# Altium PCB matrix.PcbDoc (part 2 of 5) (continued)
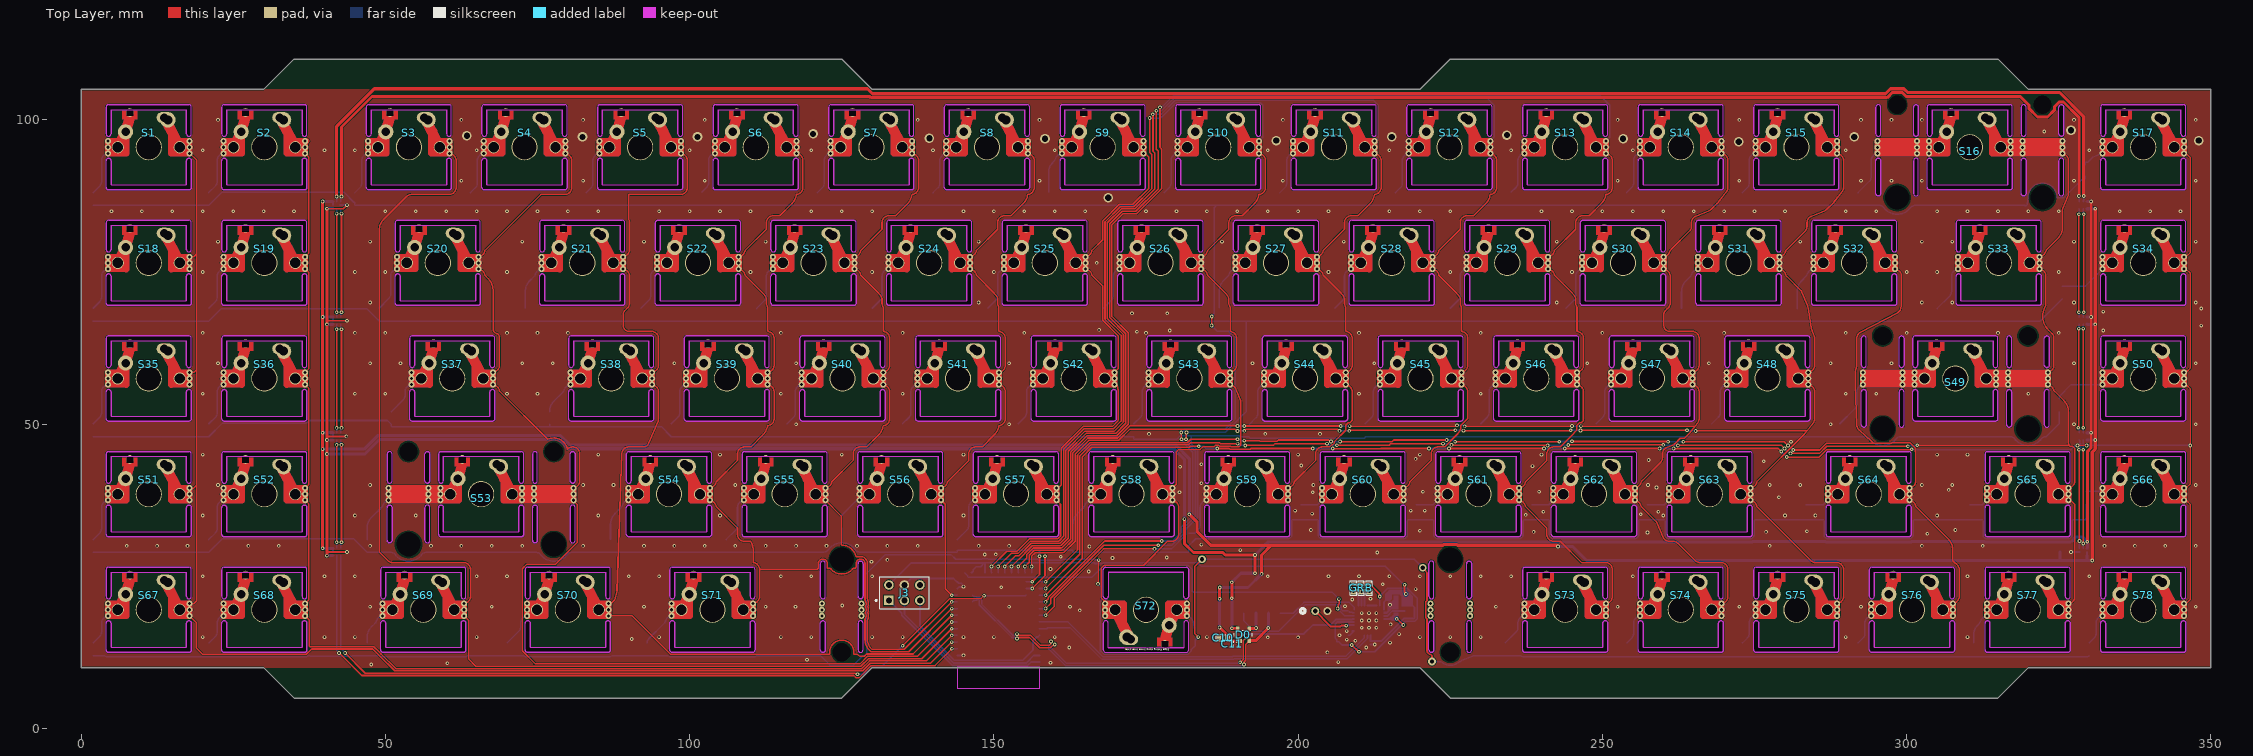
[diagram p0: Top Layer view]
## Footprints (in the part's own frame and the unit in brackets; to place one, negate y for a bottom-side part, rotate by r counter-clockwise, add the part's x,y. Pads: shape width x height; smd on the part's side, far side on the other; paste and mask are expansions set on the pad) (continued)
  oval 2.5x1.8 hole 1.4: 2(2.54,4.879)
  round 2.54 hole 1.5: 2(3.15,4.502)
  round 1.524 hole 4 unplated: ""(-11.938,-8.255) ""(11.938,-8.255)
  round 1.524 hole 3 unplated: ""(-11.938,6.985) ""(11.938,6.985)
  Top Layer region: 15.199,1 6.699,1 6.699,-0.998 15.199,-0.998
  Top Layer region: -15.2,-0.998 -6.7,-0.998 -6.7,1 -15.2,1
  Top Layer region: -4.35,6 -4.35,4.602 -1.85,4.602 -1.85,6
  Top Layer lines w1: -4.3,1.002 -6.7,1.002 -6.7,-0.998 ; -3.7,-0.998 -6.7,-0.998 ; 3.7,-0.998 6.7,-0.998 6.7,1.002 4.3,1.002 ; -6.7,-0.998 -6.7,1 -15.2,1 -15.2,0 -15.2,-0.998 -8.68,-0.998 -6.7,-0.998 ; -6.7,-0.998 -6.7,-0.998 ; 15.2,-0.998 15.2,0 15.2,1 ; 15.2,-0.998 8.68,-0.998 6.7,-0.998 6.7,1 8.68,1 15.2,1 ; 15.2,-0.998 15.2,-0.998 ; 15.2,1 15.2,1
  Top Layer lines w1.1: -6.7,0.002 -5.08,0.002 ; -3.7,-0.998 -3.7,1.902 ; 3.7,-0.998 3.7,1.902 ; 5.08,0.002 6.7,0.002
  Top Layer lines w1.7: -5.08,0.002 -3.81,2.542 -3.11,4.942 ; 2.54,4.879 3.81,2.542 5.08,0.002
  Bottom Layer region: 15.199,0.996 6.699,0.996 6.699,-0.998 15.199,-0.998
  Bottom Layer region: -15.199,-0.998 -6.7,-0.998 -6.7,0.996 -15.199,0.996
  Bottom Layer region: -4.35,6 -4.35,4.602 -1.85,4.602 -1.85,6
  Bottom Layer lines w1: -4.3,1.002 -6.7,1.002 -6.7,-0.998 ; -3.7,-0.998 -6.7,-0.998 ; 3.7,-0.998 6.7,-0.998 6.7,1.002 4.3,1.002 ; -6.7,-0.998 -6.7,1 -15.2,1 -15.2,0 -15.2,-0.998 -8.68,-0.998 -6.7,-0.998 ; -6.7,-0.998 -6.7,-0.998 ; 15.2,-0.998 15.2,0 15.2,1 8.68,1 6.7,1 6.7,-0.998 8.68,-0.998 15.2,-0.998 ; 15.2,-0.998 15.2,-0.998
  Bottom Layer lines w1.1: -6.7,0.002 -5.08,0.002 ; -3.7,-0.998 -3.7,1.902 ; 3.7,-0.998 3.7,1.902 ; 5.08,0.002 6.7,0.002
  Bottom Layer lines w1.7: -5.08,0.002 -3.81,2.542 -3.11,4.942 ; 2.54,4.879 3.81,2.542 5.08,0.002
  Keep-Out Layer board cut-out: 9.24,6.6 9.209,6.753 9.123,6.883 8.993,6.969 8.84,7 8.84,7 8.687,6.969 8.557,6.883 8.47,6.753 8.44,6.6 8.44,6.6 8.44,2.202 8.48,2.028 8.591,1.889 8.751,1.812 8.929,1.812 9.089,1.889 9.2,2.028 9.24,2.202 9.24,2.202
  Keep-Out Layer board cut-out: 8.44,-2.198 8.48,-2.024 8.591,-1.885 8.751,-1.808 8.929,-1.808 9.09,-1.885 9.201,-2.024 9.24,-2.198 9.24,-2.198 9.24,-7.6 9.201,-7.773 9.09,-7.912 8.929,-7.99 8.751,-7.99 8.591,-7.912 8.48,-7.773 8.44,-7.6 8.44,-7.6
  Keep-Out Layer board cut-out: 14.64,6.6 14.671,6.753 14.757,6.883 14.887,6.969 15.04,7 15.04,7 15.193,6.969 15.323,6.883 15.41,6.753 15.44,6.6 15.44,6.6 15.44,2.202 15.401,2.028 15.29,1.889 15.129,1.812 14.951,1.812 14.791,1.889 14.68,2.028 14.64,2.202 14.64,2.202
  Keep-Out Layer board cut-out: 15.44,-2.198 15.401,-2.024 15.29,-1.885 15.129,-1.808 14.951,-1.808 14.791,-1.885 14.68,-2.024 14.64,-2.198 14.64,-2.198 14.64,-7.6 14.68,-7.773 14.791,-7.912 14.951,-7.99 15.129,-7.99 15.289,-7.912 15.4,-7.773 15.44,-7.6 15.44,-7.6
  Keep-Out Layer board cut-out: -14.64,6.6 -14.671,6.753 -14.757,6.883 -14.887,6.969 -15.04,7 -15.04,7 -15.193,6.969 -15.323,6.883 -15.41,6.753 -15.44,6.6 -15.44,6.6 -15.44,2.202 -15.4,2.028 -15.289,1.889 -15.129,1.812 -14.951,1.812 -14.791,1.889 -14.68,2.028 -14.64,2.202 -14.64,2.202
  Keep-Out Layer board cut-out: -15.44,-2.198 -15.4,-2.024 -15.289,-1.885 -15.129,-1.808 -14.951,-1.808 -14.79,-1.885 -14.679,-2.024 -14.64,-2.198 -14.64,-2.198 -14.64,-7.6 -14.679,-7.773 -14.79,-7.912 -14.951,-7.99 -15.129,-7.99 -15.289,-7.912 -15.4,-7.773 -15.44,-7.6 -15.44,-7.6
  Keep-Out Layer board cut-out: 7,-2.198 7,-6.598 6.969,-6.751 6.883,-6.88 6.753,-6.967 6.6,-6.998 6.6,-6.998 -6.6,-6.998 -6.753,-6.967 -6.883,-6.88 -6.97,-6.751 -7,-6.598 -7,-6.598 -7,-2.198 -6.961,-2.024 -6.85,-1.885 -6.689,-1.808 -6.511,-1.808 -6.351,-1.885 -6.24,-2.024 -6.2,-2.198 -6.2,-2.198 -6.2,-6.198 6.2,-6.198 6.2,-2.198 6.239,-2.024 6.35,-1.885 6.511,-1.808 6.689,-1.808 6.849,-1.885 6.96,-2.024 7,-2.198
  Keep-Out Layer board cut-out: 7,2.202 7,6.602 6.969,6.755 6.883,6.885 6.753,6.972 6.6,7.002 6.6,7.002 -6.6,7.002 -6.753,6.972 -6.883,6.885 -6.97,6.755 -7,6.602 -7,6.602 -7,2.202 -6.961,2.029 -6.85,1.89 -6.689,1.812 -6.511,1.812 -6.351,1.89 -6.24,2.029 -6.2,2.202 -6.2,2.202 -6.2,6.202 6.2,6.202 6.2,2.202 6.239,2.029 6.35,1.89 6.511,1.812 6.689,1.812 6.849,1.89 6.96,2.029 7,2.202
  Keep-Out Layer board cut-out: -8.44,-2.198 -8.479,-2.024 -8.59,-1.885 -8.751,-1.808 -8.929,-1.808 -9.089,-1.885 -9.2,-2.024 -9.24,-2.198 -9.24,-2.198 -9.24,-7.6 -9.2,-7.773 -9.089,-7.912 -8.929,-7.99 -8.751,-7.99 -8.591,-7.912 -8.48,-7.773 -8.44,-7.6 -8.44,-7.6
  Keep-Out Layer board cut-out: -9.24,6.6 -9.209,6.753 -9.123,6.883 -8.993,6.969 -8.84,7 -8.84,7 -8.687,6.969 -8.557,6.883 -8.47,6.753 -8.44,6.6 -8.44,6.6 -8.44,2.202 -8.479,2.028 -8.59,1.889 -8.751,1.812 -8.929,1.812 -9.089,1.889 -9.2,2.028 -9.24,2.202 -9.24,2.202
  Keep-Out Layer lines w0.1: -14.64,-7.6 -14.64,-2.198 ; -14.639,-7.6 cw(c-15.04,-7.6) -15.44,-7.6 -15.44,-2.198 cw(c-15.04,-2.198) -14.639,-2.198 ; -8.44,6.6 -8.44,2.202 cw(c-8.84,2.202) -9.24,2.202 -9.24,6.6 cw(c-8.84,6.6) -8.439,6.6 ; 8.44,-7.6 ccw(c8.84,-7.6) 9.241,-7.6 ; 8.44,-7.6 8.44,-2.198 cw(c8.84,-2.198) 9.241,-2.198 ; 9.24,-7.6 9.24,-2.198 ; 14.64,-7.6 ccw(c15.04,-7.6) 15.44,-7.6 ; 14.64,-7.6 14.64,-2.198 cw(c15.04,-2.198) 15.44,-2.198 15.44,-7.6 ; 15.44,2.202 15.44,6.6 ccw(c15.04,6.599) 14.64,6.6 14.64,2.202 ccw(c15.04,2.202) 15.44,2.202 ; -15.44,2.202 ccw(c-15.04,2.202) -14.64,2.202 -14.64,6.6 ccw(c-15.04,6.6) -15.44,6.6 -15.44,2.202 ; -9.24,-7.6 ccw(c-8.84,-7.6) -8.44,-7.6 -8.44,-2.198 ccw(c-8.84,-2.198) -9.24,-2.198 -9.24,-7.6 ; -7,-6.598 ccw(c-6.6,-6.598) -6.6,-6.998 6.6,-6.998 ccw(c6.6,-6.598) 7,-6.598 7,-2.198 ccw(c6.6,-2.198) 6.2,-2.198 6.2,-6.198 -6.2,-6.198 -6.2,-2.198 ccw(c-6.6,-2.198) -7,-2.198 -7,-6.598 ; -7,2.202 ccw(c-6.6,2.202) -6.2,2.202 -6.2,6.202 6.2,6.202 6.2,2.202 ccw(c6.6,2.202) 7,2.202 7,6.602 ccw(c6.6,6.602) 6.6,7.002 -6.6,7.002 ccw(c-6.6,6.602) -7,6.602 -7,2.202 ; 8.44,2.202 ccw(c8.84,2.202) 9.24,2.202 9.24,6.6 ccw(c8.84,6.6) 8.44,6.6 8.44,2.202
  body extent -9,-9 9,9, height 23
2.25U-STAB-CHERRY-SMK-CUTOUT#2 [mm]
  round 4.3 hole 3.988: 0(0,0.002)
  round 1 hole 0.5 mask+0.05: 1(-15.2,-1) 1(-15.2,0) 1(-15.2,1) 1(-8.68,-1) 1(-8.68,0) 1(-8.68,1) 1(-6.7,-0.998) 1(-6.7,0.002) 1(-6.7,1.002) 2(6.7,-0.998) 2(6.7,0.002) 2(6.7,1.002) 2(8.68,-1) 2(8.68,0) 2(8.68,1) 2(15.2,-1) 2(15.2,0) 2(15.2,1)
  round 2 hole 1.702: 1(-5.08,0.002) 2(5.08,0.002)
  round 2.5 hole 1.4: 1(-3.81,2.542)
  oval 1.125x1.425 hole 1.1 square: 1(-3.1,5.702)
  oval 2.5x1.8 hole 1.4: 2(2.54,4.879)
  round 2.54 hole 1.5: 2(3.15,4.502)
  round 1.524 hole 4 unplated: ""(-11.938,-8.255) ""(11.938,-8.255)
  round 1.524 hole 3 unplated: ""(-11.938,6.985) ""(11.938,6.985)
  Top Layer region: 15.199,1 6.699,1 6.699,-0.998 15.199,-0.998
  Top Layer region: -15.2,-0.998 -6.7,-0.998 -6.7,1 -15.2,1
  Top Layer region: -4.35,6 -4.35,4.602 -1.85,4.602 -1.85,6
  Top Layer lines w1: -4.3,1.002 -6.7,1.002 -6.7,-0.998 ; -3.7,-0.998 -6.7,-0.998 ; 3.7,-0.998 5.08,-0.998 6.7,-0.998 6.7,0.002 6.7,1.002 5.08,1.002 4.58,1.002 4.3,1.002 ; -6.7,-0.998 -6.7,1 -15.2,1 -15.2,0 -15.2,-0.998 -8.68,-0.998 -6.7,-0.998 ; -6.7,-0.998 -6.7,-0.998 ; 15.2,-0.998 15.2,-0.998 ; 15.2,-0.998 8.68,-0.998 6.7,-0.998 6.7,0.002 6.7,1 8.68,1 15.2,1 ; 15.2,-0.998 15.2,0 15.2,1 ; 15.2,1 15.2,1 ; 15.2,1 15.2,1
  Top Layer lines w1.1: -6.7,0.002 -5.08,0.002 ; -3.7,-0.998 -3.7,1.902 ; 3.7,-0.998 3.7,0.002 3.7,1.902 ; 5.08,0.002 6.7,0.002
  Top Layer lines w1.7: -5.08,0.002 -3.81,2.542 -3.11,4.942 ; 2.54,4.879 2.837,4.332 3.81,2.542 4.58,1.002 5.08,0.002
  Bottom Layer region: 15.199,0.996 6.699,0.996 6.699,-0.998 15.199,-0.998
  Bottom Layer region: -15.199,-0.998 -6.7,-0.998 -6.7,0.996 -15.199,0.996
  Bottom Layer region: -4.35,6 -4.35,4.602 -1.85,4.602 -1.85,6
  Bottom Layer lines w1: -4.3,1.002 -6.7,1.002 -6.7,-0.998 ; -3.7,-0.998 -6.7,-0.998 ; 3.7,-0.998 5.08,-0.998 6.7,-0.998 6.7,0.002 6.7,1.002 5.08,1.002 4.58,1.002 4.3,1.002 ; -6.7,-0.998 -6.7,1 -15.2,1 -15.2,0 -15.2,-0.998 -8.68,-0.998 -6.7,-0.998 ; -6.7,-0.998 -6.7,-0.998 ; 15.2,-0.998 15.2,-0.998 ; 15.2,-0.998 8.68,-0.998 6.7,-0.998 6.7,0.002 6.7,1 8.68,1 15.2,1 15.2,0 15.2,-0.998
  Bottom Layer lines w1.1: -6.7,0.002 -5.08,0.002 ; -3.7,-0.998 -3.7,1.902 ; 3.7,-0.998 3.7,0.002 3.7,1.902 ; 5.08,0.002 6.7,0.002
  Bottom Layer lines w1.7: -5.08,0.002 -3.81,2.542 -3.11,4.942 ; 2.54,4.879 2.837,4.332 3.81,2.542 4.58,1.002 5.08,0.002
  Keep-Out Layer board cut-out: 9.24,6.6 9.209,6.753 9.123,6.883 8.993,6.969 8.84,7 8.84,7 8.687,6.969 8.557,6.883 8.47,6.753 8.44,6.6 8.44,6.6 8.44,2.202 8.48,2.028 8.591,1.889 8.751,1.812 8.929,1.812 9.089,1.889 9.2,2.028 9.24,2.202 9.24,2.202
  Keep-Out Layer board cut-out: 8.44,-2.198 8.48,-2.024 8.591,-1.885 8.751,-1.808 8.929,-1.808 9.09,-1.885 9.201,-2.024 9.24,-2.198 9.24,-2.198 9.24,-7.6 9.201,-7.773 9.09,-7.912 8.929,-7.99 8.751,-7.99 8.591,-7.912 8.48,-7.773 8.44,-7.6 8.44,-7.6
  Keep-Out Layer board cut-out: 14.64,6.6 14.671,6.753 14.757,6.883 14.887,6.969 15.04,7 15.04,7 15.193,6.969 15.323,6.883 15.41,6.753 15.44,6.6 15.44,6.6 15.44,2.202 15.401,2.028 15.29,1.889 15.129,1.812 14.951,1.812 14.791,1.889 14.68,2.028 14.64,2.202 14.64,2.202
  Keep-Out Layer board cut-out: 15.44,-2.198 15.401,-2.024 15.29,-1.885 15.129,-1.808 14.951,-1.808 14.791,-1.885 14.68,-2.024 14.64,-2.198 14.64,-2.198 14.64,-7.6 14.68,-7.773 14.791,-7.912 14.951,-7.99 15.129,-7.99 15.289,-7.912 15.4,-7.773 15.44,-7.6 15.44,-7.6
  Keep-Out Layer board cut-out: -14.64,6.6 -14.671,6.753 -14.757,6.883 -14.887,6.969 -15.04,7 -15.04,7 -15.193,6.969 -15.323,6.883 -15.41,6.753 -15.44,6.6 -15.44,6.6 -15.44,2.202 -15.4,2.028 -15.289,1.889 -15.129,1.812 -14.951,1.812 -14.791,1.889 -14.68,2.028 -14.64,2.202 -14.64,2.202
  Keep-Out Layer board cut-out: -15.44,-2.198 -15.4,-2.024 -15.289,-1.885 -15.129,-1.808 -14.951,-1.808 -14.79,-1.885 -14.679,-2.024 -14.64,-2.198 -14.64,-2.198 -14.64,-7.6 -14.679,-7.773 -14.79,-7.912 -14.951,-7.99 -15.129,-7.99 -15.289,-7.912 -15.4,-7.773 -15.44,-7.6 -15.44,-7.6
  Keep-Out Layer board cut-out: 7,-2.198 7,-6.598 6.969,-6.751 6.883,-6.88 6.753,-6.967 6.6,-6.998 6.6,-6.998 -6.6,-6.998 -6.753,-6.967 -6.883,-6.88 -6.97,-6.751 -7,-6.598 -7,-6.598 -7,-2.198 -6.961,-2.024 -6.85,-1.885 -6.689,-1.808 -6.511,-1.808 -6.351,-1.885 -6.24,-2.024 -6.2,-2.198 -6.2,-2.198 -6.2,-6.198 6.2,-6.198 6.2,-2.198 6.239,-2.024 6.35,-1.885 6.511,-1.808 6.689,-1.808 6.849,-1.885 6.96,-2.024 7,-2.198
  Keep-Out Layer board cut-out: 7,2.202 7,6.602 6.969,6.755 6.883,6.885 6.753,6.972 6.6,7.002 6.6,7.002 -6.6,7.002 -6.753,6.972 -6.883,6.885 -6.97,6.755 -7,6.602 -7,6.602 -7,2.202 -6.961,2.029 -6.85,1.89 -6.689,1.812 -6.511,1.812 -6.351,1.89 -6.24,2.029 -6.2,2.202 -6.2,2.202 -6.2,6.202 6.2,6.202 6.2,2.202 6.239,2.029 6.35,1.89 6.511,1.812 6.689,1.812 6.849,1.89 6.96,2.029 7,2.202
  Keep-Out Layer board cut-out: -8.44,-2.198 -8.479,-2.024 -8.59,-1.885 -8.751,-1.808 -8.929,-1.808 -9.089,-1.885 -9.2,-2.024 -9.24,-2.198 -9.24,-2.198 -9.24,-7.6 -9.2,-7.773 -9.089,-7.912 -8.929,-7.99 -8.751,-7.99 -8.591,-7.912 -8.48,-7.773 -8.44,-7.6 -8.44,-7.6
  Keep-Out Layer board cut-out: -9.24,6.6 -9.209,6.753 -9.123,6.883 -8.993,6.969 -8.84,7 -8.84,7 -8.687,6.969 -8.557,6.883 -8.47,6.753 -8.44,6.6 -8.44,6.6 -8.44,2.202 -8.479,2.028 -8.59,1.889 -8.751,1.812 -8.929,1.812 -9.089,1.889 -9.2,2.028 -9.24,2.202 -9.24,2.202
  Keep-Out Layer lines w0.1: -14.64,-7.6 -14.64,-2.198 ; -14.639,-7.6 cw(c-15.04,-7.6) -15.44,-7.6 -15.44,-2.198 cw(c-15.04,-2.198) -14.639,-2.198 ; 8.44,-7.6 ccw(c8.84,-7.6) 9.241,-7.6 ; 8.44,-7.6 8.44,-2.198 cw(c8.84,-2.198) 9.241,-2.198 ; 9.24,-7.6 9.24,-2.198 ; 14.64,6.6 cw(c15.04,6.599) 15.44,6.6 ; 14.64,6.6 14.64,2.202 ccw(c15.04,2.202) 15.44,2.202 15.44,6.6 ; -15.44,2.202 ccw(c-15.04,2.202) -14.64,2.202 -14.64,6.6 ccw(c-15.04,6.6) -15.44,6.6 -15.44,2.202 ; -9.24,-7.6 ccw(c-8.84,-7.6) -8.44,-7.6 -8.44,-2.198 ccw(c-8.84,-2.198) -9.24,-2.198 -9.24,-7.6 ; -9.24,2.202 ccw(c-8.84,2.202) -8.44,2.202 -8.44,6.6 ccw(c-8.84,6.6) -9.24,6.6 -9.24,2.202 ; -7,-6.598 ccw(c-6.6,-6.598) -6.6,-6.998 6.6,-6.998 ccw(c6.6,-6.598) 7,-6.598 7,-2.198 ccw(c6.6,-2.198) 6.2,-2.198 6.2,-6.198 -6.2,-6.198 -6.2,-2.198 ccw(c-6.6,-2.198) -7,-2.198 -7,-6.598 ; -7,2.202 ccw(c-6.6,2.202) -6.2,2.202 -6.2,6.202 6.2,6.202 6.2,2.202 ccw(c6.6,2.202) 7,2.202 7,6.602 ccw(c6.6,6.602) 6.6,7.002 -6.6,7.002 ccw(c-6.6,6.602) -7,6.602 -7,2.202 ; 8.44,2.202 ccw(c8.84,2.202) 9.24,2.202 9.24,6.6 ccw(c8.84,6.6) 8.44,6.6 8.44,2.202 ; 14.64,-7.6 ccw(c15.04,-7.6) 15.44,-7.6 15.44,-2.198 ccw(c15.04,-2.198) 14.64,-2.198 14.64,-7.6
  body extent -9,-9 9,9, height 23
2U-STAB-CHERRY-SMK-CUTOUT [mm]
  round 4.3 hole 3.988: 0(0,0.002)
  round 1 hole 0.5 mask+0.05: 1(-15.2,-1) 1(-15.2,0) 1(-15.2,1) 1(-8.68,-1) 1(-8.68,0) 1(-8.68,1) 1(-6.7,-0.998) 1(-6.7,0.002) 1(-6.7,1.002) 2(6.7,-0.998) 2(6.7,0.002) 2(6.7,1.002) 2(8.68,-1) 2(8.68,0) 2(8.68,1) 2(15.2,-1) 2(15.2,0) 2(15.2,1)
  round 2 hole 1.702: 1(-5.08,0.002) 2(5.08,0.002)
  round 2.5 hole 1.4: 1(-3.81,2.542)
  oval 1.125x1.425 hole 1.1 square: 1(-3.1,5.702)
  oval 2.5x1.8 hole 1.4: 2(2.54,4.879)
  round 2.54 hole 1.5: 2(3.15,4.502)
  round 1.524 hole 4 unplated: ""(-11.938,-8.255) ""(11.938,-8.255)
  round 1.524 hole 3 unplated: ""(-11.938,6.985) ""(11.938,6.985)
  Top Layer region: -15.2,-0.998 -6.7,-0.998 -6.7,1 -15.2,1
  Top Layer region: 15.199,1 6.699,1 6.699,-0.998 15.199,-0.998
  Top Layer region: -4.35,6 -4.35,4.602 -1.85,4.602 -1.85,6
  Top Layer lines w1: -4.3,1.002 -6.7,1.002 -6.7,-0.998 ; -3.7,-0.998 -6.7,-0.998 ; 3.7,-0.998 6.7,-0.998 6.7,1.002 4.3,1.002 ; -6.7,-0.998 -6.7,1 -15.2,1 -15.2,0 -15.2,-0.998 -8.68,-0.998 -6.7,-0.998 ; -6.7,-0.998 -6.7,-0.998 ; 6.7,-0.998 6.7,1 15.2,1 15.2,0 15.2,-0.998 15.2,-0.998 8.68,-0.998 6.7,-0.998
  Top Layer lines w1.1: -6.7,0.002 -5.08,0.002 ; -3.7,-0.998 -3.7,1.902 ; 3.7,-0.998 3.7,1.902 ; 5.08,0.002 6.7,0.002
  Top Layer lines w1.7: -5.08,0.002 -3.81,2.542 -3.11,4.942 ; 2.54,4.879 3.81,2.542 5.08,0.002
  Bottom Layer region: -15.199,-0.998 -6.7,-0.998 -6.7,0.996 -15.199,0.996
  Bottom Layer region: 15.199,0.996 6.699,0.996 6.699,-0.998 15.199,-0.998
  Bottom Layer region: -4.35,6 -4.35,4.602 -1.85,4.602 -1.85,6
  Bottom Layer lines w1: -4.3,1.002 -6.7,1.002 -6.7,-0.998 ; -3.7,-0.998 -6.7,-0.998 ; 3.7,-0.998 6.7,-0.998 6.7,1.002 4.3,1.002 ; -6.7,-0.998 -6.7,1 -15.2,1 -15.2,0 -15.2,-0.998 -8.68,-0.998 -6.7,-0.998 ; -6.7,-0.998 -6.7,-0.998 ; 6.7,-0.998 6.7,1 15.2,1 15.2,0 15.2,-0.998 15.2,-0.998 8.68,-0.998 6.7,-0.998
  Bottom Layer lines w1.1: -6.7,0.002 -5.08,0.002 ; -3.7,-0.998 -3.7,1.902 ; 3.7,-0.998 3.7,1.902 ; 5.08,0.002 6.7,0.002
  Bottom Layer lines w1.7: -5.08,0.002 -3.81,2.542 -3.11,4.942 ; 2.54,4.879 3.81,2.542 5.08,0.002
  Keep-Out Layer board cut-out: 9.24,6.6 9.21,6.753 9.123,6.883 8.993,6.969 8.84,7 8.84,7 8.687,6.969 8.557,6.883 8.471,6.753 8.44,6.6 8.44,6.6 8.44,2.202 8.48,2.028 8.591,1.889 8.751,1.812 8.929,1.812 9.09,1.889 9.201,2.028 9.24,2.202 9.24,2.202
  Keep-Out Layer board cut-out: 8.44,-2.198 8.48,-2.024 8.591,-1.885 8.751,-1.808 8.93,-1.808 9.09,-1.885 9.201,-2.024 9.241,-2.198 9.241,-2.198 9.241,-7.6 9.201,-7.773 9.09,-7.912 8.93,-7.99 8.752,-7.99 8.591,-7.912 8.48,-7.773 8.441,-7.6 8.441,-7.6
  Keep-Out Layer board cut-out: 14.641,6.6 14.671,6.753 14.758,6.883 14.888,6.969 15.041,7 15.041,7 15.194,6.969 15.324,6.883 15.41,6.753 15.441,6.6 15.441,6.6 15.441,2.202 15.401,2.028 15.29,1.889 15.13,1.812 14.952,1.812 14.791,1.889 14.68,2.028 14.641,2.202 14.641,2.202
  Keep-Out Layer board cut-out: 15.441,-2.198 15.401,-2.024 15.29,-1.885 15.13,-1.808 14.951,-1.808 14.791,-1.885 14.68,-2.024 14.64,-2.198 14.64,-2.198 14.64,-7.6 14.68,-7.773 14.791,-7.912 14.951,-7.99 15.129,-7.99 15.29,-7.912 15.401,-7.773 15.44,-7.6 15.44,-7.6
  Keep-Out Layer board cut-out: -14.64,6.6 -14.67,6.753 -14.757,6.883 -14.887,6.969 -15.04,7 -15.04,7 -15.193,6.969 -15.323,6.883 -15.409,6.753 -15.44,6.6 -15.44,6.6 -15.44,2.202 -15.4,2.028 -15.289,1.889 -15.129,1.812 -14.951,1.812 -14.79,1.889 -14.679,2.028 -14.64,2.202 -14.64,2.202
  Keep-Out Layer board cut-out: -15.44,-2.198 -15.4,-2.024 -15.289,-1.885 -15.129,-1.808 -14.95,-1.808 -14.79,-1.885 -14.679,-2.024 -14.639,-2.198 -14.639,-2.198 -14.639,-7.6 -14.679,-7.773 -14.79,-7.912 -14.95,-7.99 -15.128,-7.99 -15.289,-7.912 -15.4,-7.773 -15.439,-7.6 -15.439,-7.6
  Keep-Out Layer board cut-out: 7,-2.198 7,-6.598 6.97,-6.751 6.883,-6.88 6.753,-6.967 6.6,-6.998 6.6,-6.998 -6.6,-6.998 -6.753,-6.967 -6.883,-6.88 -6.969,-6.751 -7,-6.598 -7,-6.598 -7,-2.198 -6.96,-2.024 -6.849,-1.885 -6.689,-1.808 -6.511,-1.808 -6.35,-1.885 -6.239,-2.024 -6.2,-2.198 -6.2,-2.198 -6.2,-6.198 6.2,-6.198 6.2,-2.198 6.24,-2.024 6.351,-1.885 6.511,-1.808 6.689,-1.808 6.85,-1.885 6.961,-2.024 7,-2.198
  Keep-Out Layer board cut-out: 7,2.202 7,6.602 6.97,6.755 6.883,6.885 6.753,6.972 6.6,7.002 6.6,7.002 -6.6,7.002 -6.753,6.972 -6.883,6.885 -6.969,6.755 -7,6.602 -7,6.602 -7,2.202 -6.96,2.029 -6.849,1.89 -6.689,1.812 -6.511,1.812 -6.35,1.89 -6.239,2.029 -6.2,2.202 -6.2,2.202 -6.2,6.202 6.2,6.202 6.2,2.202 6.24,2.029 6.351,1.89 6.511,1.812 6.689,1.812 6.85,1.89 6.961,2.029 7,2.202
  Keep-Out Layer board cut-out: -8.439,-2.198 -8.479,-2.024 -8.59,-1.885 -8.75,-1.808 -8.929,-1.808 -9.089,-1.885 -9.2,-2.024 -9.24,-2.198 -9.24,-2.198 -9.24,-7.6 -9.2,-7.773 -9.089,-7.912 -8.929,-7.99 -8.751,-7.99 -8.59,-7.912 -8.479,-7.773 -8.44,-7.6 -8.44,-7.6
  Keep-Out Layer board cut-out: -9.239,6.6 -9.209,6.753 -9.122,6.883 -8.992,6.969 -8.839,7 -8.839,7 -8.686,6.969 -8.556,6.883 -8.47,6.753 -8.439,6.6 -8.439,6.6 -8.439,2.202 -8.479,2.028 -8.59,1.889 -8.75,1.812 -8.928,1.812 -9.089,1.889 -9.2,2.028 -9.239,2.202 -9.239,2.202
  Keep-Out Layer lines w0.1: -15.44,2.202 ccw(c-15.04,2.202) -14.639,2.202 ; -15.44,6.6 cw(c-15.04,6.6) -14.64,6.6 -14.64,2.202 ; -15.44,2.202 -15.44,6.6 ; 8.44,6.6 cw(c8.84,6.6) 9.24,6.6 9.24,2.202 cw(c8.84,2.202) 8.44,2.202 8.44,6.6 ; 14.64,-7.6 ccw(c15.04,-7.6) 15.44,-7.6 ; 14.64,-2.198 cw(c15.04,-2.198) 15.44,-2.198 ; 14.64,6.6 cw(c15.04,6.599) 15.441,6.6 ; 14.64,-7.6 14.64,-2.198 ; 14.641,6.6 14.641,2.202 ccw(c15.041,2.202) 15.441,2.202 15.441,6.6 ; 15.44,-7.6 15.44,-2.198 ; -15.439,-7.6 ccw(c-15.039,-7.6) -14.639,-7.6 -14.639,-2.198 ccw(c-15.039,-2.198) -15.439,-2.198 -15.439,-7.6 ; -9.24,-7.6 ccw(c-8.84,-7.6) -8.44,-7.6 -8.44,-2.198 ccw(c-8.84,-2.198) -9.24,-2.198 -9.24,-7.6 ; -9.24,2.202 ccw(c-8.839,2.202) -8.439,2.202 -8.439,6.6 ccw(c-8.839,6.6) -9.239,6.6 -9.239,2.202 ; -7,-6.598 ccw(c-6.6,-6.598) -6.6,-6.998 6.6,-6.998 ccw(c6.6,-6.598) 7,-6.598 7,-2.198 ccw(c6.6,-2.198) 6.2,-2.198 6.2,-6.198 -6.2,-6.198 -6.2,-2.198 ccw(c-6.6,-2.198) -7,-2.198 -7,-6.598 ; -7,2.202 ccw(c-6.6,2.202) -6.2,2.202 -6.2,6.202 6.2,6.202 6.2,2.202 ccw(c6.6,2.202) 7,2.202 7,6.602 ccw(c6.6,6.602) 6.6,7.002 -6.6,7.002 ccw(c-6.6,6.602) -7,6.602 -7,2.202 ; 8.441,-7.6 ccw(c8.841,-7.6) 9.241,-7.6 9.241,-2.198 ccw(c8.841,-2.198) 8.441,-2.198 8.441,-7.6
  body extent -9,-9 9,9, height 23
6.25U-STAB-CHERRY-SMK-CUTOUT [mm]
  round 4.3 hole 3.988: 0(0,0.002)
  round 1 hole 0.5 mask+0.05: 1(-6.7,-0.998) 1(-6.7,0.002) 1(-6.7,1.002) 2(6.7,-0.998) 2(6.7,0.002) 2(6.7,1.002) 8(-53.26,-1) 8(-46.74,-1) 8(46.74,-1) 8(53.26,-1) 10(-53.26,0) 10(-46.74,0) 10(46.74,0) 10(53.26,0) 12(-53.26,1) 12(-46.74,1) 12(46.74,1) 12(53.26,1)
  round 2 hole 1.702: 1(-5.08,0.002) 2(5.08,0.002)
  round 2.5 hole 1.4: 1(-3.81,2.542)
  oval 1.125x1.425 hole 1.1 square: 1(-3.1,5.702)
  oval 2.5x1.8 hole 1.4: 2(2.54,4.879)
  round 2.54 hole 1.5: 2(3.15,4.502)
  round 1.524 hole 4 unplated: ""(-49.998,-8.255) ""(49.998,-8.255)
  round 1.524 hole 3 unplated: ""(-49.998,6.985) ""(49.998,6.985)
  Top Layer region: -4.35,6 -4.35,4.602 -1.85,4.602 -1.85,6
  Top Layer lines w1.1: 5.08,0.002 6.7,0.002 ; 4.3,1.002 6.7,1.002 6.7,0.002 ; 3.7,1.902 3.7,-0.998 5.08,-0.998 6.7,-0.998 6.7,0.002 ; -3.7,1.902 -3.7,-0.998 -6.7,-0.998 -6.7,0.002 ; -4.3,1.002 -4.58,1.002 -5.08,1.002 -6.7,1.002 -6.7,0.002 ; -5.08,0.002 -6.7,0.002
  Top Layer lines w1.7: 5.08,0.002 3.81,2.542 2.54,4.879 ; -3.11,4.942 -3.81,2.542 -5.08,0.002
  Bottom Layer region: -4.35,6 -4.35,4.602 -1.85,4.602 -1.85,6
  Bottom Layer lines w1.1: 5.08,0.002 6.7,0.002 ; 4.3,1.002 6.7,1.002 6.7,0.002 ; 3.7,1.902 3.7,-0.998 5.08,-0.998 6.7,-0.998 6.7,0.002 ; -3.7,1.902 -3.7,-0.998 -6.7,-0.998 -6.7,0.002 ; -4.3,1.002 -4.58,1.002 -5.08,1.002 -6.7,1.002 -6.7,0.002 ; -5.08,0.002 -6.7,0.002
  Bottom Layer lines w1.7: 5.08,0.002 3.81,2.542 2.54,4.879 ; -3.11,4.942 -3.81,2.542 -5.08,0.002
  Keep-Out Layer board cut-out: -47.3,6.6 -47.269,6.753 -47.183,6.883 -47.053,6.969 -46.9,7 -46.9,7 -46.747,6.969 -46.617,6.883 -46.53,6.753 -46.5,6.6 -46.5,6.6 -46.5,2.202 -46.539,2.028 -46.65,1.889 -46.811,1.812 -46.989,1.812 -47.149,1.889 -47.26,2.028 -47.3,2.202 -47.3,2.202
  Keep-Out Layer board cut-out: -46.5,-2.198 -46.539,-2.024 -46.65,-1.885 -46.811,-1.808 -46.989,-1.808 -47.149,-1.885 -47.26,-2.024 -47.3,-2.198 -47.3,-2.198 -47.3,-7.6 -47.26,-7.773 -47.149,-7.912 -46.989,-7.99 -46.811,-7.99 -46.651,-7.912 -46.54,-7.773 -46.5,-7.6 -46.5,-7.6
  Keep-Out Layer board cut-out: -53.5,-2.198 -53.46,-2.024 -53.349,-1.885 -53.189,-1.808 -53.011,-1.808 -52.85,-1.885 -52.739,-2.024 -52.7,-2.198 -52.7,-2.198 -52.7,-7.6 -52.739,-7.773 -52.85,-7.912 -53.011,-7.99 -53.189,-7.99 -53.349,-7.912 -53.46,-7.773 -53.5,-7.6 -53.5,-7.6
  Keep-Out Layer board cut-out: 53.5,-2.198 53.461,-2.024 53.35,-1.885 53.189,-1.808 53.011,-1.808 52.851,-1.885 52.74,-2.024 52.7,-2.198 52.7,-2.198 52.7,-7.6 52.74,-7.773 52.851,-7.912 53.011,-7.99 53.189,-7.99 53.349,-7.912 53.46,-7.773 53.5,-7.6 53.5,-7.6
  Keep-Out Layer board cut-out: 52.7,6.6 52.731,6.753 52.817,6.883 52.947,6.969 53.1,7 53.1,7 53.253,6.969 53.383,6.883 53.47,6.753 53.5,6.6 53.5,6.6 53.5,2.202 53.461,2.028 53.35,1.889 53.189,1.812 53.011,1.812 52.851,1.889 52.74,2.028 52.7,2.202 52.7,2.202
  Keep-Out Layer board cut-out: 46.5,-2.198 46.54,-2.024 46.651,-1.885 46.811,-1.808 46.989,-1.808 47.15,-1.885 47.261,-2.024 47.3,-2.198 47.3,-2.198 47.3,-7.6 47.261,-7.773 47.15,-7.912 46.989,-7.99 46.811,-7.99 46.651,-7.912 46.54,-7.773 46.5,-7.6 46.5,-7.6
  Keep-Out Layer board cut-out: 47.3,6.6 47.269,6.753 47.183,6.883 47.053,6.969 46.9,7 46.9,7 46.747,6.969 46.617,6.883 46.53,6.753 46.5,6.6 46.5,6.6 46.5,2.202 46.54,2.028 46.651,1.889 46.811,1.812 46.989,1.812 47.149,1.889 47.26,2.028 47.3,2.202 47.3,2.202
  Keep-Out Layer board cut-out: -52.7,6.6 -52.731,6.753 -52.817,6.883 -52.947,6.969 -53.1,7 -53.1,7 -53.253,6.969 -53.383,6.883 -53.47,6.753 -53.5,6.6 -53.5,6.6 -53.5,2.202 -53.46,2.028 -53.349,1.889 -53.189,1.812 -53.011,1.812 -52.851,1.889 -52.74,2.028 -52.7,2.202 -52.7,2.202
  Keep-Out Layer board cut-out: 7,2.202 7,6.602 6.969,6.755 6.883,6.885 6.753,6.972 6.6,7.002 6.6,7.002 -6.6,7.002 -6.753,6.972 -6.883,6.885 -6.97,6.755 -7,6.602 -7,6.602 -7,2.202 -6.961,2.029 -6.85,1.89 -6.689,1.812 -6.511,1.812 -6.351,1.89 -6.24,2.029 -6.2,2.202 -6.2,2.202 -6.2,6.202 6.2,6.202 6.2,2.202 6.239,2.029 6.35,1.89 6.511,1.812 6.689,1.812 6.849,1.89 6.96,2.029 7,2.202
  Keep-Out Layer board cut-out: 7,-2.198 7,-6.598 6.969,-6.751 6.883,-6.88 6.753,-6.967 6.6,-6.998 6.6,-6.998 -6.6,-6.998 -6.753,-6.967 -6.883,-6.88 -6.97,-6.751 -7,-6.598 -7,-6.598 -7,-2.198 -6.961,-2.024 -6.85,-1.885 -6.689,-1.808 -6.511,-1.808 -6.351,-1.885 -6.24,-2.024 -6.2,-2.198 -6.2,-2.198 -6.2,-6.198 6.2,-6.198 6.2,-2.198 6.239,-2.024 6.35,-1.885 6.511,-1.808 6.689,-1.808 6.849,-1.885 6.96,-2.024 7,-2.198
  Keep-Out Layer lines w0.1: 53.5,6.6 53.5,2.202 ; 53.5,6.6 ccw(c53.1,6.599) 52.7,6.6 ; 53.5,2.202 cw(c53.1,2.202) 52.7,2.202 ; 53.5,-7.6 53.5,-2.198 ccw(c53.1,-2.198) 52.7,-2.198 ; 53.5,-7.6 cw(c53.1,-7.6) 52.7,-7.6 ; 52.7,6.6 52.7,2.202 ; 52.7,-2.198 52.7,-7.6 ; 47.3,2.202 47.3,6.6 ccw(c46.9,6.6) 46.5,6.6 46.5,2.202 ; 47.3,2.202 cw(c46.9,2.202) 46.5,2.202 ; -46.5,2.202 -46.5,6.6 ccw(c-46.9,6.6) -47.3,6.6 -47.3,2.202 ; -46.5,2.202 cw(c-46.9,2.202) -47.3,2.202 ; -47.3,-2.198 -47.3,-7.6 ; -47.3,-2.198 cw(c-46.9,-2.198) -46.5,-2.198 -46.5,-7.6 cw(c-46.9,-7.6) -47.3,-7.6 ; -52.7,2.202 -52.7,6.6 ccw(c-53.1,6.6) -53.5,6.6 ; -52.7,2.202 cw(c-53.1,2.202) -53.5,2.202 ; -53.5,6.6 -53.5,2.202 ; 47.301,-2.198 ccw(c46.9,-2.198) 46.5,-2.198 46.5,-7.6 ccw(c46.9,-7.6) 47.301,-7.6 47.3,-2.198 ; 7,6.602 ccw(c6.6,6.602) 6.6,7.002 -6.6,7.002 ccw(c-6.6,6.602) -7,6.602 -7,2.202 ccw(c-6.6,2.202) -6.2,2.202 -6.2,6.202 6.2,6.202 6.2,2.202 ccw(c6.6,2.202) 7,2.202 7,6.602 ; 7,-2.198 ccw(c6.6,-2.198) 6.2,-2.198 6.2,-6.198 -6.2,-6.198 -6.2,-2.198 ccw(c-6.6,-2.198) -7,-2.198 -7,-6.598 ccw(c-6.6,-6.598) -6.6,-6.998 6.6,-6.998 ccw(c6.6,-6.598) 7,-6.598 7,-2.198 ; -52.699,-2.198 ccw(c-53.1,-2.198) -53.5,-2.198 -53.5,-7.6 ccw(c-53.1,-7.6) -52.699,-7.6 -52.7,-2.198
  body extent -9,-9 9,9, height 23
CAPC0603X03L_C [mm]
  rect 0.27x0.3 smd mask+0.05: 1(-0.285,0) 2(0.285,0)
  body extent -0.3,-0.15 0.3,0.15, height 0.3
CAPC1608X06L [mm]
  rect 0.75x0.8 smd: 1(-0.675,0) 2(0.675,0)
  silkscreen extent -1.17,-0.5 1.17,0.5, body extent -0.8,-0.43 0.8,0.43, height 0.8
CONN_S2B-PH-K-S_JST [mil]
  round 52 / inner round 60 / far side round 52 hole 32 paste-99999 mask+0: 1(0,0) 2(78.74,0)
  silkscreen extent -96,-251 160,58, body extent -77,-246 156,53, height 189
FP-GRM31C-0_3-e0_3_0_8-MFG [mm]
  rect 1.15x1.8 smd paste+0 mask+0: 1(-1.575,0) 2(1.575,0)
  silkscreen extent -0.63,-0.95 0.63,0.95, body extent -1.6,-0.8 1.6,0.8, height 1.9
FP-M20-9980346-MFG [mm]
  rect 1.57x1.57 hole 1.02 paste-2539.97 mask+0: 1(-2.54,-1.27)
  round 1.57 hole 1.02 paste-2539.97 mask+0: 2(-2.54,1.27) 3(0,-1.27) 4(0,1.27) 5(2.54,-1.27) 6(2.54,1.27)
  silkscreen extent -4.76,-2.64 4.06,2.64, body extent -4.16,-2.74 4.16,2.74, height 0.25
FP-SOT143B-MFG [mm]
  rect 0.7x1 smd paste-1000 mask+0: 1(-1,0.75)
  rect 0.7x0.6 smd paste-1000 mask+0: 2(-1,-0.95) 3(1,-0.95) 4(1,0.95)
  silkscreen extent -2.02,-1.5 0.7,1.5, body extent -1.16,-1.45 1.16,1.45, height 1.1